# Altium PCB LimeKEY-RPCM_1v0.PcbDoc (part 6 of 8) (continued)
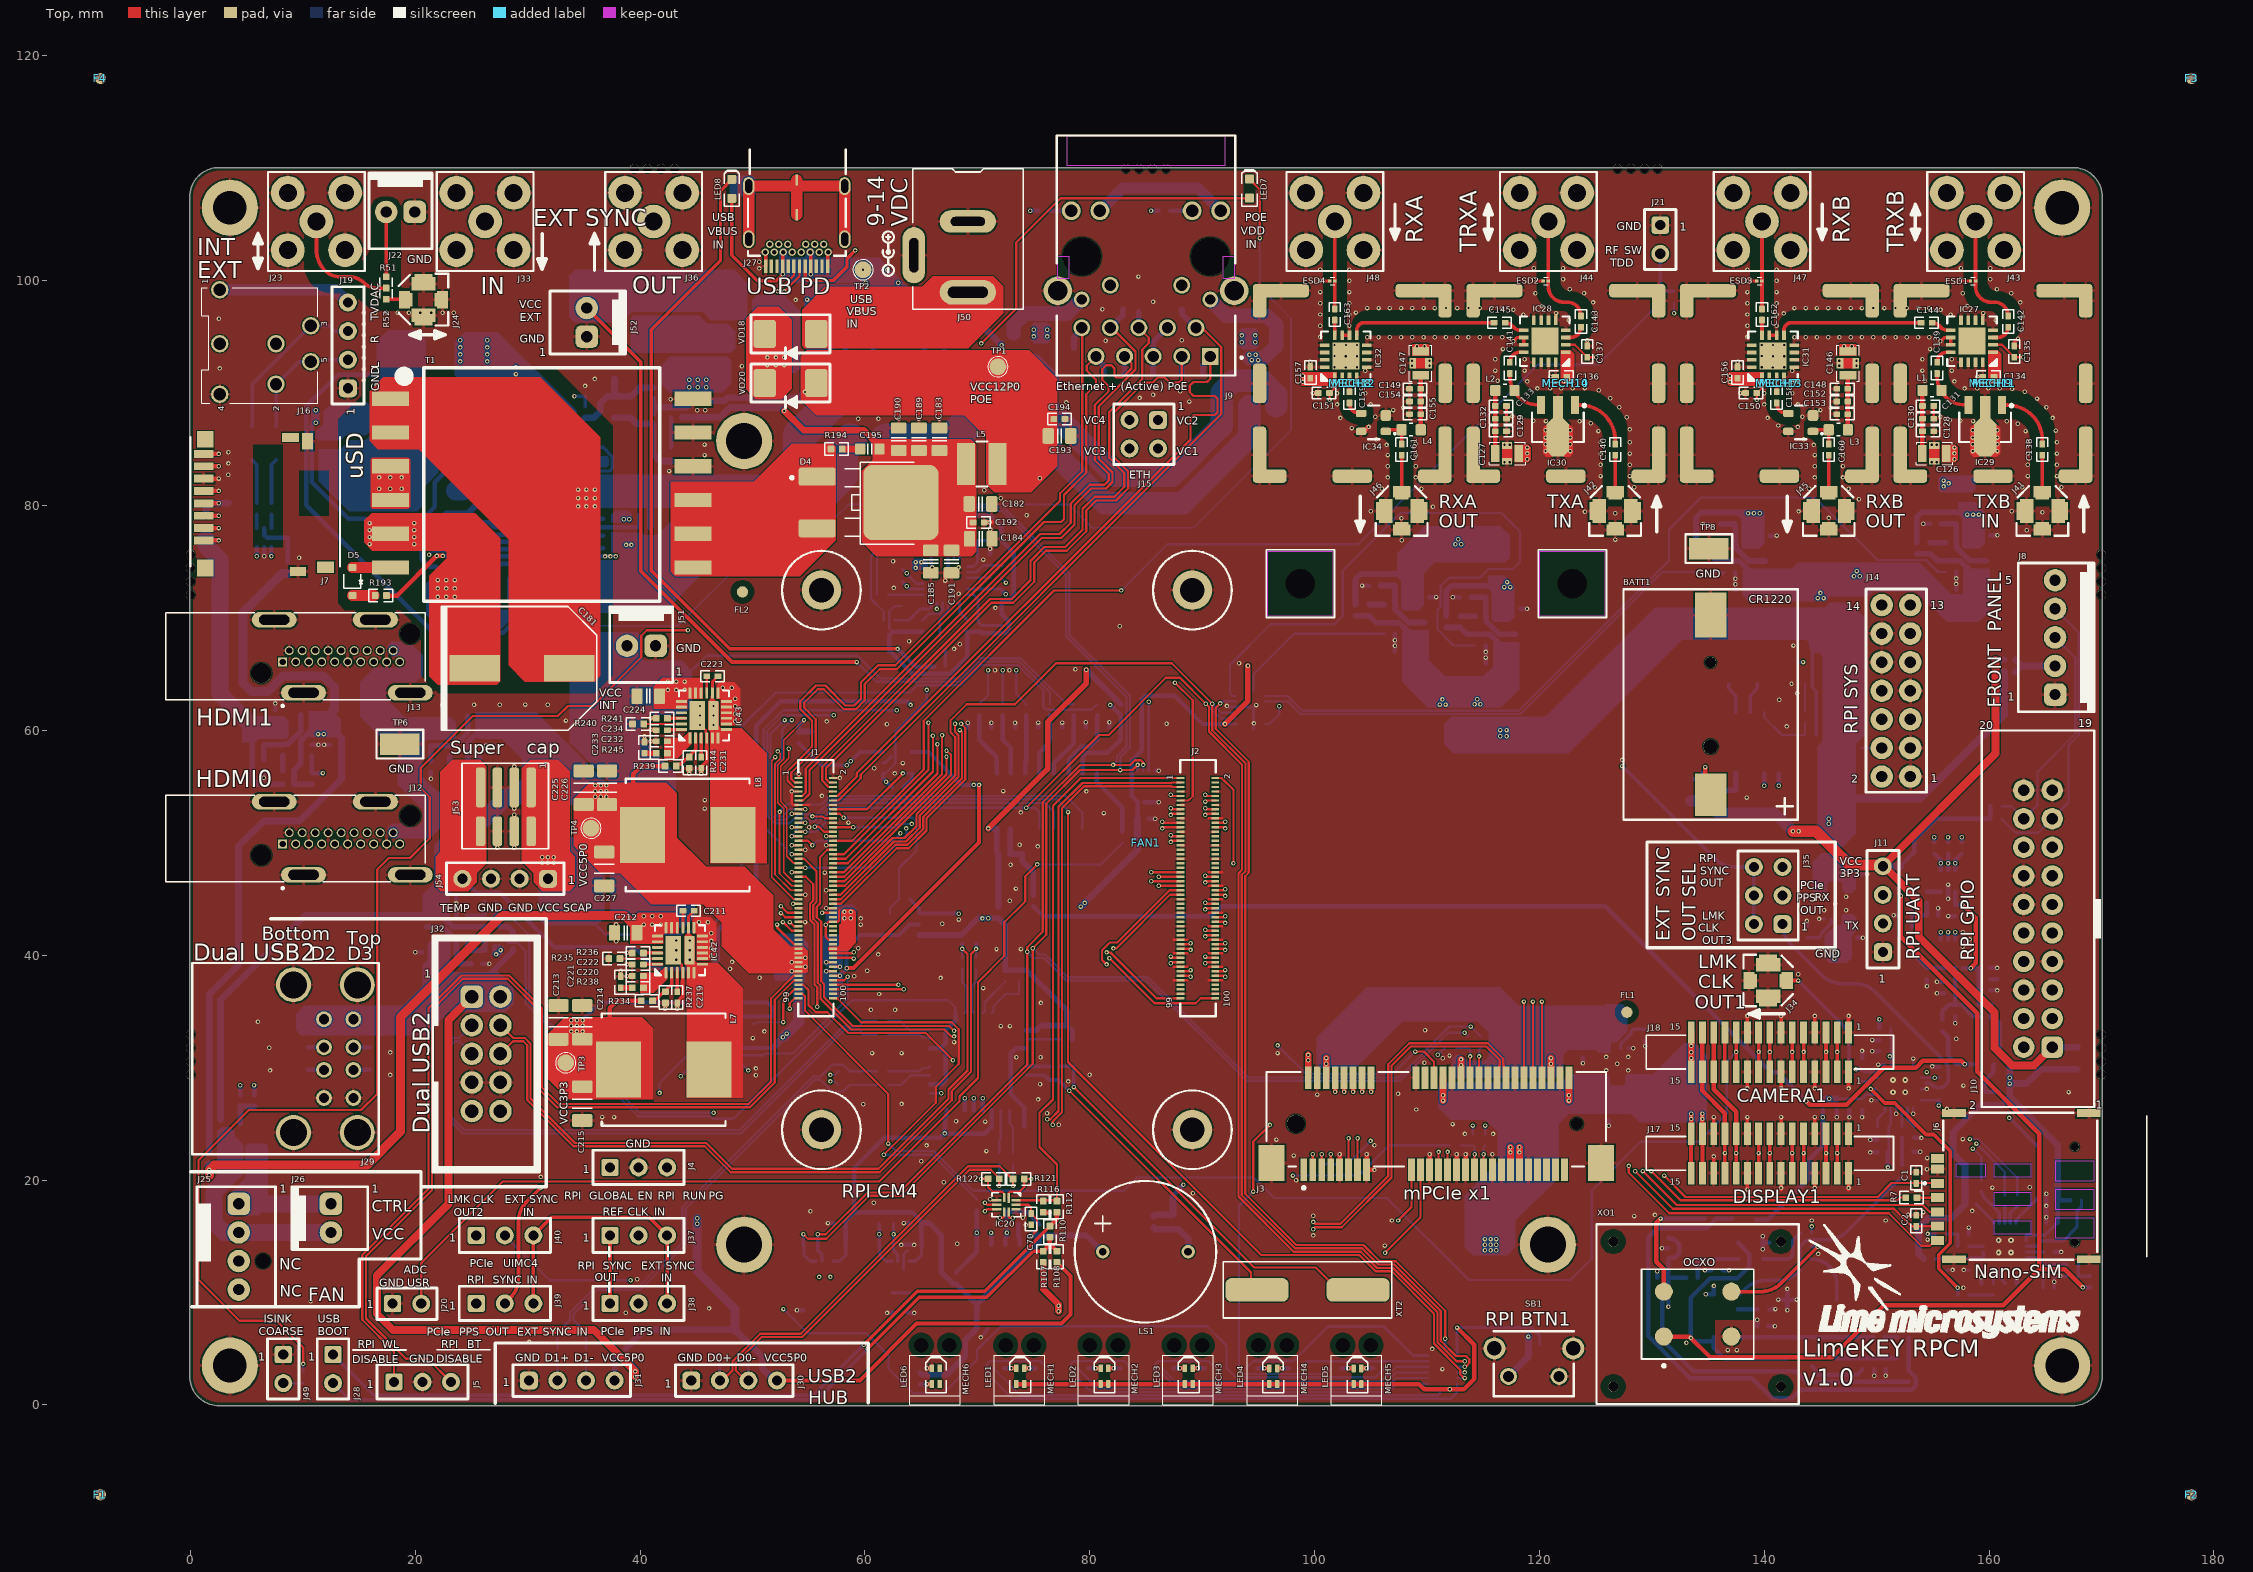
[diagram p0: Top view]
## Nets (pads, with @x,y where several pads share a name; then routed paths per layer and width w, separated by ;. In a path a pad name is that pad's centre, name@x,y a point inside that pad or via, vN(x,y) a via of type N, cw(c..) or ccw(c..) an arc to the next point about the centre after c; other vN are vias at no path point) (continued)
RPI_SD_D3: J1.61 J7.2 | length 82.8
  Top w0.2: v1(52.525,44.35) 53.1,43.775 J1.61@54.085,43.775
  Top w0.4: J7.2@1.18,78 v1(2.5,78)
  L3 w0.1: v1(2.5,78) 3.4,78 3.525,78.125 3.525,78.45 3.125,78.85 3.125,79.175 3.475,79.525 5.5,79.525 5.725,79.3 5.725,78.762 5.45,78.487 5.45,78.163 5.725,77.887 5.725,77.3 5.525,77.1 3.775,77.1 3.6,76.925 3.6,63.825 6.175,61.25 13.55,61.25 16.5,58.3 24.825,58.3 25.525,57.6 36.775,57.6 40.125,54.25 42.625,54.25 v1(52.525,44.35)
RPI_SD_PWR_ON: IC5.3 J1.75 R19.1 | length 51.3
  Top w0.2: v1(52.175,42.725) 52.175,42.475 53.675,40.975 J1.75@54.085,40.975
  L3 w0.4: v1(11.775,56.2) 22.65,56.2 24.15,54.7 29.2,54.7 31.325,52.575 40.925,52.575 50.775,42.725 v1(52.175,42.725)
  Bottom w0.4: IC5.3@10.8,57.775 R19.1@10.8,56.2 v1(11.775,56.2)
RPI_SPI0_MISO: J1.40 J10.11 | length 124.6
  Top w0.2: J1.40@57.165,48.175 58.456,48.175 66.45,56.169 v1(66.45,58.775)
  L3 w0.1: v1(66.45,58.775) 66.65,58.975 99.006,58.975 105.081,52.9 134.391,52.9 138.216,56.725 138.266,56.775 143.5,56.775 150.75,49.525 156.475,49.525 162.675,43.325 164.425,43.325 J10.11@165.62,44.52
RPI_SPI0_MOSI: J1.44 J10.9 R168.1 R173.2 | length 158.8
  Top w0.2: J1.44@57.165,47.375 58.126,47.375 66.852,56.101 v1(66.852,59.575)
  L3 w0.1: v1(66.852,59.575) 67.027,59.4 99.155,59.4 105.163,53.392 105.255,53.3 134.225,53.3 138.1,57.175 144.133,57.175 150.383,50.925 155.35,50.925 156.126,50.149 156.494,50.149 156.844,50.499 v1(157.574,50.499) 162.373,45.7 166.375,45.7 166.8,45.275 166.8,43.16 J10.9@165.62,41.98 166.8,40.8 166.8,31.125 162.525,26.85 162.092,26.85 158.875,23.633 v1(158.875,23.25)
  Bottom w0.2: v1(158.875,23.25) 161.4,20.725 R168.1@161.4,18.65
  Bottom w0.4: R173.2@157.574,50.049 v1(157.574,50.499)
RPI_SPI0_MOSI_R: IC24.7 IC26.3 R173.1 | length 8.5
  L3 w0.1: v1(156.999,42.035) v1(156.999,48.185)
  Bottom w0.4: IC24.7@156.999,41.399 v1(156.999,42.035) ; IC26.3@156.999,47.549 156.999,48.474 R173.1@157.574,49.049
RPI_SPI0_SCLK: J1.38 J10.13 R166.1 R172.2 | length 157.5
  Top w0.2: J1.38@57.165,48.575 58.291,48.575 66.05,56.334 v1(66.05,59.525)
  L3 w0.1: v1(66.05,59.525) 66.55,60.025 67,60.025 67.425,59.6 99.238,59.6 105.338,53.5 134.142,53.5 138.017,57.375 144.216,57.375 150.466,51.125 155.723,51.125 v1(156.349,50.499) 156.699,50.85 157.775,50.85 157.975,50.65 157.975,50.4 162.475,45.9 164.46,45.9 J10.13@165.62,47.06 167,45.68 167,31.042 162.608,26.65 162.175,26.65 159.325,23.8 159.325,23.205 158.92,22.8 v1(158.55,22.8)
  Bottom w0.2: v1(158.55,22.8) 159.3,22.05 R166.1@159.3,19.95
  Bottom w0.4: R172.2@156.349,50.049 v1(156.349,50.499)
RPI_SPI0_SCLK_R: IC24.6 IC26.2 R172.1 | length 8.6
  L3 w0.1: v1(156.349,42.035) 155.975,42.409 155.975,47.811 v1(156.349,48.185)
  Bottom w0.4: IC24.6@156.349,41.399 v1(156.349,42.035) ; IC26.2@156.349,47.549 R172.1@156.349,49.049
RPI_SPI0_SS0: J1.39 R171.2 | length 120.9
  Top w0.15: v1(53.225,58.375) 53.225,57.525 52.5,56.8 52.5,53.675 53.05,53.125 53.05,48.8 53.675,48.175 J1.39@54.085,48.175
  L3 w0.1: v1(53.225,58.375) 56.075,58.375 56.375,58.675 65.8,58.675 66.325,59.2 99.073,59.2 105.173,53.1 134.308,53.1 138.183,56.975 144.05,56.975 150.526,50.499 v1(155.124,50.499)
  Bottom w0.4: R171.2@155.124,50.049 v1(155.124,50.499)
RPI_SPI0_SS0_R: IC24.5 IC26.1 R171.1 | length 9
  L3 w0.1: v1(155.699,42.035) 155.114,42.62 155.114,47.6 v1(155.699,48.185)
  Bottom w0.4: R171.1@155.124,49.049 155.699,48.474 IC26.1@155.699,47.549 ; IC24.5@155.699,41.399 v1(155.699,42.035)
RPI_SPI0_SS1: J1.37 R169.1 | length 133
  Top w0.2: J1.37@54.085,48.575 54.599,48.575 55.695,47.479 55.695,44.746 55.4,44.451 55.4,43.251 55.8,42.851 55.8,37.55 56.05,37.3 56.05,36.133 58.783,33.4 67.05,33.4 67.675,32.775 v1(67.925,32.775)
  L3 w0.1: v1(67.925,32.775) 74.796,32.775 87.338,20.234 87.338,20.012 89.075,18.275 139.4,18.275 140.8,19.675 154.325,19.675 v1(158.3,23.65)
  Bottom w0.2: v1(158.3,23.65) 159.05,23.65 162.5,20.2 R169.1@162.5,18.65
RPI_SPI1_MISO: IC8.12 J1.26 | length 26.1
  Top w0.2: v1(55.525,51.425) 55.9,51.425 56.35,50.975 J1.26@57.165,50.975
  Bottom w0.2: v1(55.525,51.425) 56.075,51.975 56.075,52.451 57.199,53.575 57.675,53.575 72.874,53.575 72.899,53.55 76,53.55 76.795,52.755 IC8.12@76.795,51.275
RPI_SPI1_MOSI: IC8.11 IC14.14 J1.27 | length 101
  Top w0.2: v1(53.475,50.575) J1.27@54.085,50.575 ; v1(78.065,52.735) 78.065,30.51 95.25,13.325 103.977,13.325 105.427,11.875 106.852,11.875 110.625,8.102 110.625,5.45 112.966,3.109 112.966,2.718 113.2,2.484 113.212,2.484 113.312,2.384 v1(113.366,2.384)
  Bottom w0.2: v1(53.475,50.575) 53.875,50.975 53.875,51.521 54.529,52.175 54.875,52.175 55.15,51.9 55.475,51.9 55.738,52.163 55.738,52.538 57.075,53.875 77.05,53.875 78.065,52.86 v1(78.065,52.735) IC8.11@78.065,51.275 ; IC14.14@112.675,2.384 v1(113.366,2.384)
RPI_SPI1_SCLK: IC8.13 IC14.11 IC16.11 J1.25 | length 123
  Top w0.2: J1.25@54.085,50.975 v1(54.695,50.975) ; v1(74.35,53.125) 80.825,59.6 81.675,59.6 86.75,64.675 88.025,64.675 v1(90.325,62.375) 90.6,62.1 90.6,59.9 93.55,56.95 93.55,47.599 93.225,47.274 93.225,18.525 98.125,13.625 104.101,13.625 105.551,12.175 106.976,12.175 110.925,8.226 110.925,5.574 112.615,3.884 v1(113.366,3.884)
  Bottom w0.2: v1(54.695,50.975) 55.65,50.975 56.437,51.762 56.437,52.389 57.174,53.125 v1(74.35,53.125) 75.125,53.125 75.525,52.725 IC8.13@75.525,51.275 ; v1(90.325,62.375) 91.63,61.07 IC16.11@93.014,61.07 ; IC14.11@112.675,3.884 v1(113.366,3.884)
RPI_SPI1_SS0: IC8.10 J1.49 | length 37.2
  Top w0.15: v1(52.4,52.75) 52.4,47.275 53.5,46.175 J1.49@54.085,46.175
  Bottom w0.2: v1(52.4,52.75) 53.05,53.4 56.125,53.4 56.9,54.175 77.85,54.175 79.333,52.692 IC8.10@79.333,51.277 IC8.10@79.335,51.275
RPI_SPI1_SS1: IC14.12 IC16.12 J1.50 | length 124.4
  Top w0.2: J1.50@57.165,46.175 58.2,46.175 62.45,50.425 63.525,50.425 64.575,51.475 64.575,52.548 68.025,55.998 68.025,59.4 67.619,59.806 67.619,60.894 69.05,62.325 73.35,62.325 77,65.975 87.3,65.975 v1(90.9,62.375) 90.9,60.024 93.85,57.074 93.85,47.474 93.525,47.149 93.525,18.649 98.249,13.925 104.226,13.925 105.676,12.475 107.101,12.475 111.225,8.351 111.225,5.699 112.574,4.35 113.466,4.35 113.766,4.05 113.766,3.718 113.532,3.484 113.52,3.484 113.42,3.384 v1(113.366,3.384)
  Bottom w0.2: v1(90.9,62.375) 91.705,61.57 IC16.12@93.014,61.57 ; IC14.12@112.675,3.384 v1(113.366,3.384)
RPI_STATUS_LED_G: J1.21 R82.1 | length 92.3
  Top w0.2: J1.21@54.085,51.775 v1(54.695,51.775) ; v1(94.55,18.975) 94.55,23.425 v1(96.025,24.9)
  L3 w0.1: v1(54.695,51.775) 56.045,51.775 61.72,46.1 72.425,46.1 72.95,45.575 82.6,45.575 85.35,42.825 90.825,42.825 91.8,41.85 92.375,41.85 96.025,38.2 v1(96.025,24.9)
  Bottom w0.2: v1(94.55,18.975) 93.275,17.7 93.275,3.025 93.55,2.75 100.91,2.75 R82.1@101.41,3.25
RPI_STATUS_LED_R: IC2.4 R83.1 | length 106.2
  L3 w0.1: v1(41.725,27.75) 41.05,27.075 41.05,18.383 38.475,15.808 38.475,10.822 38.997,10.3 50.975,10.3 v1(52.75,8.525)
  Bottom w0.2: v1(41.725,27.75) 41.725,28.6 46.355,33.23 IC2.4@48.06,33.23 ; v1(52.75,8.525) 54.9,6.375 60.125,6.375 62.1,4.4 62.1,3.2 64.275,1.025 66.975,1.025 69.968,4.018 69.968,4.876 72.091,7 90.45,7 92.166,5.284 92.166,3.276 92.992,2.45 105.41,2.45 R83.1@106.21,3.25
RPI_SYNC_IN: IC3.4 J14.8 J39.2 R20.2 | length 165.8
  Top w0.325: J39.2@27.959,9.025 28.431,9.497 ccw(c26.635,11.293) 29.175,11.293 29.175,16.298 cw(c31.715,16.298) 29.919,18.094 v1(31.15,19.325)
  L3 w0.1: v1(65.5,63.6) 97.8,63.6 106.225,55.175 128.6,55.175 134.7,61.275 148.204,61.275 J14.8@150.454,63.525
  L4 w0.1: v1(31.15,19.325) 31.95,19.325 ccw(c31.95,21.256) 33.315,19.89 53.225,39.8 ; 53.225,39.8 cw(c54.734,38.291) 54.734,40.425 56.823,40.425 ccw(c56.823,42.965) 58.619,41.169 61.131,43.681 ccw(c59.335,45.477) 61.875,45.477 v1(61.875,55.425)
  Bottom w0.2: IC3.4@61.6,56.175 61.8,56.175 61.925,56.3 61.925,56.305 62.7,57.08 62.7,59.875 65.5,62.675 v1(65.5,63.6)
  Bottom w0.35: IC3.4@61.6,56.175 61.6,55.703 R20.2@62.4,54.903
RPI_SYNC_IN_LS: IC3.3 J1.16 R20.1 | length 10
  Top w0.2: J1.16@57.165,52.975 60.175,52.975 v1(63.375,56.175)
  Bottom w0.2: v1(63.375,56.175) IC3.3@64.2,56.175
  Bottom w0.35: R20.1@63.4,54.903 64.2,55.703 IC3.3@64.2,56.175
RPI_SYNC_OUT: IC1.4 J14.9 J35.5 J37.1 J38.1 R13.1 | length 153
  Top w0.325: J38.1@37.319,9.025 J37.1@37.319,15.075
  L4 w0.1: J37.1@37.319,15.075 ccw(c37.319,17.021) 38.695,15.645 66.006,42.956 cw(c67.802,41.16) 67.802,43.7 v1(68.35,43.7) 89.023,43.7 cw(c89.023,41.16) 90.819,42.956 91.15,42.625 ccw(c92.599,44.074) 92.599,42.025 130.798,42.025 ccw(c130.798,44.565) 132.594,42.769 135.681,45.856 cw(c137.477,44.06) 137.477,46.6 139.323,46.6 ccw(c139.323,49.14) J35.5@141.119,47.344 ; J35.5@141.621,47.846 143.756,49.981 ccw(c141.96,51.777) 144.5,51.777 144.5,59.023 cw(c147.04,59.023) 145.244,60.819 148.481,64.056 cw(c150.277,62.26) 150.277,64.8 150.676,64.8 ccw(c150.676,67.34) 152.473,65.544 J14.9@152.996,66.068
  Bottom w0.35: R13.1@64.025,44.972 64.825,44.172 IC1.4@64.825,43.7 v1(68.35,43.7)
RPI_SYNC_OUT_LS: IC1.3 J1.18 R13.2 | length 16.9
  Top w0.2: J1.18@57.165,52.575 57.75,52.575 v1(58.1,52.225)
  Bottom w0.2: v1(58.1,52.225) 64.259,52.225 64.575,51.909 64.575,49.3 63.025,47.75 R13.2@63.025,44.972 62.225,44.172 IC1.3@62.225,43.7
RPI_TVDAC: J2.11 J14.11 J16.1 J19.4 | length 208.5
  Top w0.2: v1(87.575,64.25) 89.15,62.675 89.15,54.15 88.775,53.775 J2.11@88.085,53.775
  L3 w0.3: 149.35,67.35 151.736,67.35 J14.11@152.996,68.611
  L3 w0.6: J16.1@2.6,99.2 5.15,96.65 5.15,85.9 15.475,75.575 17.05,75.575 22.625,70 42.175,70 45.05,67.125 46.5,67.125 50.45,63.175 50.45,61.7 52.275,59.875 54.575,59.875 59.025,64.325 98.025,64.325 106.7,55.65 128.225,55.65 134.375,61.8 143.8,61.8 149.35,67.35
  Bottom w1: J16.1@2.6,99.2 12.864,99.2 J19.4@14,98.064
RPI_UART0_RX: J1.51 J10.10 J11.3 | length 138.2
  Top w0.15: v1(52.25,58.125) 52.45,57.925 52.45,57.479 52,57.029 52,47.175 53.4,45.775 J1.51@54.085,45.775
  L3 w0.1: v1(52.25,58.125) 52.9,58.125 53.025,58 56.025,58 56.425,58.4 66.65,58.4 67.025,58.775 67.925,58.775 98.924,58.775 104.999,52.7 134.474,52.7 138.299,56.525 138.349,56.575 143.417,56.575 148.75,51.242 148.75,47.13 150.509,45.371 J11.3@150.55,45.371 154.571,41.35 157.55,41.35 158.18,41.98 J10.10@163.08,41.98
RPI_UART0_TX: J1.55 J10.8 J11.2 | length 140.3
  Top w0.15: v1(52.025,57.625) 51.7,57.3 51.7,46.925 53.65,44.975 J1.55@54.085,44.975
  L3 w0.1: v1(52.025,57.625) 55.933,57.625 56.433,58.125 66.658,58.125 67.108,58.575 67.842,58.575 98.841,58.575 104.916,52.5 134.556,52.5 138.264,56.208 138.381,56.325 138.431,56.375 143.334,56.375 148.55,51.159 148.55,47 149.575,45.975 149.575,43.804 J11.2@150.55,42.829 153.604,39.775 160.675,39.775 161.01,39.44 J10.8@163.08,39.44
RPI_USB_D_N: IC20.2 J2.3 R122.2 | length 52.2
  Top w0.2: v1(70.325,20.106) R122.2@70.95,20.106 70.95,19.375 71.375,18.95 72.2,18.95 72.375,18.775 IC20.2@72.375,18.45 ; v1(76.205,25.412) 76.488,25.412 77.225,26.149 77.225,53.199 79.351,55.325 87.25,55.325 87.3,55.375 J2.3@88.085,55.375
  L3 w0.1: v1(70.325,20.106) 72.056,20.106 72.575,20.625 72.575,21.429 76.205,25.059 v1(76.205,25.412)
RPI_USB_D_P: IC20.1 J2.5 R121.2 | length 51.7
  Top w0.2: IC20.1@72.775,18.4 72.775,18.825 72.9,18.95 73.75,18.95 74.175,19.375 R121.2@74.175,20.1 v1(74.8,20.1) ; v1(76.7,24.917) 76.7,25.2 77.525,26.025 77.525,53.075 79.475,55.025 87.25,55.025 87.3,54.975 J2.5@88.085,54.975
  L3 w0.1: v1(74.8,20.1) 73.3,20.1 72.775,20.625 72.775,21.346 76.346,24.917 v1(76.7,24.917)
RPI_USB_OTG_ID: IC20.10 J2.1 R112.2 R116.1 | length 52.2
  Top w0.2: IC20.10@73.425,18.2 77,18.2 77.075,18.275 77.075,21.388 75.525,22.938 75.525,25.975 76.725,27.175 76.725,53.3 79.2,55.775 J2.1@88.085,55.775
RPI_WL_nDISABLE: J1.89 J5.1 | length 88.9
  Top w0.2: J5.1@18.094,2.038 18.094,4.756 15.275,7.575 15.275,13.324 21.175,19.224 21.175,35.274 24.101,38.2 28.35,38.2 31.25,35.3 31.25,28.25 32.725,26.775 49.651,26.775 51.65,28.774 51.65,36.175 53.65,38.175 J1.89@54.085,38.175
RTC_nINT: C52.1 IC15.3 R84.1 | length 5.8
  Bottom w0.2: IC15.3@140.01,61.612 140.01,61.165 141.575,59.6 R84.1@143.625,59.6 C52.1@143.625,60.7
RXA: C163.1 ESD4.1 J48.1 | length 7.8
  Top w0.325: C163.1@101.8,97.5 ESD4.1@101.8,99.975 J48.1@101.8,105.275
RXA_OUT: C161.2 J46.1 | length 3.2
  Top w0.325: J46.1@107.74,81.225 C161.2@107.74,84.475
RXB: C162.1 ESD3.1 J47.1 | length 7.8
  Top w0.325: C162.1@139.8,97.5 ESD3.1@139.8,99.975 J47.1@139.8,105.275
RXB_OUT: C160.2 J45.1 | length 3.2
  Top w0.325: J45.1@145.74,81.225 C160.2@145.74,84.475
SCAP_TEMP: C35.1 IC8.7 J53.4 J54.4 R45.2 R49.1 | length 90.2
  L3 w0.4: v1(64.057,62.268) v1(81.818,62.268)
  Bottom w0.4: J54.4@24.186,46.8 25.436,45.55 27.525,45.55 32.35,40.725 39.475,40.725 41.425,38.775 46.05,38.775 46.9,39.625 46.9,42.175 50.325,45.6 50.325,60.425 52.475,62.575 63.75,62.575 v1(64.057,62.268) ; IC8.7@79.333,56.177 79.352,56.196 79.352,57.602 79.75,58 81.566,58 82.651,59.085 82.651,59.135 82.701,59.185 C35.1@82.751,59.185 R49.1@82.751,60.235 R45.2@82.751,61.335 v1(81.818,62.268)
  Bottom w0.6: J54.4@24.186,46.8 J54.4@24.225,46.839
SIM_VPP: J6.C6 R7.2 | length 1.8
  Top w0.2: R7.2@153.59,18.435 J6.C6@155.405,18.435
SR0_DOUT: IC14.9 IC16.14 | length 72.2
  Top w0.2: v1(91.6,62.4) 91.2,62 91.2,60.15 94.15,57.2 94.15,47.35 93.825,47.025 93.825,18.774 98.374,14.225 104.35,14.225 105.8,12.775 107.225,12.775 111.625,8.375 v1(111.625,5.875)
  Bottom w0.2: v1(91.6,62.4) 91.795,62.595 92.989,62.595 IC16.14@93.014,62.57 ; IC14.9@111.625,4.984 v1(111.625,5.875)
TCXO_DAC_VREF: C118.2 C119.1 IC24.2 R156.1 R157.1 R162.1 | length 8
  Bottom w0.4: R156.1@155.849,34.239 155.849,35.015 156.423,35.589 R162.1@156.998,35.589 ; IC24.2@156.999,38.884 C119.1@156.999,37.63 R162.1@156.999,35.575 157.548,35.575 158.549,34.574 R157.1@159.099,34.574
TRXA: C143.1 ESD2.1 J44.1 | length 10.2
  Top w0.325: J44.1@120.8,105.275 ESD2.1@120.8,99.975 120.8,99.475 ccw(c122.175,99.475) 122.175,98.1 122.475,98.1 cw(c122.475,96.875) C143.1@123.7,96.875
TRXB: C142.1 ESD1.1 J43.1 | length 10.2
  Top w0.325: J43.1@158.8,105.275 ESD1.1@158.8,99.975 158.8,99.475 ccw(c160.175,99.475) 160.175,98.1 160.475,98.1 cw(c160.475,96.875) C142.1@161.7,96.875
TXA_IN: C140.2 J42.1 | length 3.2
  Top w0.325: J42.1@126.74,81.225 C140.2@126.74,84.475
TXB_IN: C138.2 J41.1 | length 3.2
  Top w0.325: J41.1@164.74,81.225 C138.2@164.74,84.475
UFL_INT_TO_EXT: J24.1 R52.2 | length 1.7
  Top w0.325: R52.2@17.4,98.35 J24.1@19.015,98.35 ; J24.1@18.815,98.35 cw(c18.815,98.265) J24.1@18.875,98.325
UIM_CLK: J3.12 J6.C3 | length 60.4
  Top w0.2: v1(127.95,21.25) 127.95,20.65 131.55,17.05 151.075,17.05 153.975,14.15 154.725,14.15 155.195,14.62 J6.C3@155.405,14.62 J6.C3@155.705,14.62
  Top w0.4: v1(103.425,27.85) J3.12@103.425,29.1
  L3 w0.1: v1(103.425,27.85) 103.425,26.816 108.991,21.25 v1(127.95,21.25)
UIM_DATA: C2.2 J3.10 J6.C7 | length 59.3
  Top w0.2: v1(128.525,20.775) 131.85,17.45 151.55,17.45 153.11,15.89 J6.C7@155.405,15.89
  Top w0.4: v1(102.625,27.85) J3.10@102.625,29.1
  L3 w0.1: v1(102.625,27.85) 102.625,27.333 108.908,21.05 127.55,21.05 127.825,20.775 v1(128.525,20.775)
UIM_PWR: C1.2 J3.8 J6.C1 | length 59.2
  Top w0.2: v1(131.1,20.4) 133,18.5 150.1,18.5 151.331,19.731 J6.C1@155.405,19.731
  Top w0.4: v1(101.825,27.85) J3.8@101.825,29.1
  L3 w0.1: v1(101.825,27.85) 108.85,20.825 127.45,20.825 127.875,20.4 v1(131.1,20.4)
UIM_RESET: J3.14 J6.C2 | length 58.1
  Top w0.2: v1(129.2,20.8) 132.225,17.775 154.1,17.775 154.715,17.16 J6.C2@155.405,17.16 J6.C2@155.705,17.16
  Top w0.4: v1(104.225,27.85) J3.14@104.225,29.1
  L3 w0.1: v1(104.225,27.85) 104.225,26.299 109.024,21.5 127.705,21.5 127.805,21.6 128.4,21.6 v1(129.2,20.8)
UIM_VPP: J3.16 R7.1 | length 54
  Top w0.2: v1(129.95,20.8) 132.55,18.2 151.85,18.2 152.1,18.45 R7.1@152.375,18.45
  Top w0.4: v1(105.025,27.85) J3.16@105.025,29.1
  L3 w0.1: v1(105.025,27.85) 105.025,25.781 109.106,21.7 127.622,21.7 127.722,21.8 128.95,21.8 v1(129.95,20.8)
USB_CC1: C210.1 IC41.15 J27.A5 | length 55.4
  Top w0.3: J27.A5@54.675,101.295 54.675,100.25 54.9,100.025 57.175,100.025 58.4,101.25 58.4,101.975 v1(59.125,102.7)
  L3 w0.1: v1(59.125,102.7) 61.55,105.125 65.325,105.125 68.2,102.25 70.05,102.25 72.225,100.075 72.225,97.008 71,95.783 71,89.5 63.716,82.216 v1(63.716,73.97)
  Bottom w0.25: C210.1@63.291,74.37 63.341,74.37 63.466,74.245 63.466,74.195 64.586,73.075 IC41.15@65.184,73.075
USB_CC2: C209.1 IC41.14 J27.B5 | length 55.4
  L3 w0.1: J27.B5@53.125,103.245 55.205,105.325 65.408,105.325 68.283,102.45 70.133,102.45 72.425,100.158 72.425,96.925 71.2,95.7 71.2,89.417 64.066,82.283 64.066,73.175 v1(63.714,72.823)
  Bottom w0.25: C209.1@63.291,73.245 63.341,73.245 63.466,73.12 63.466,73.07 v1(63.714,72.823) 63.961,72.575 IC41.14@65.184,72.575
USB_HUB_D0_N: IC20.4 J30.3 R87.2 R90.1 R122.1 VD10.A | length 42.1
  Top w0.2: J30.3@49.63,1.938 48.509,3.059 48.509,3.735 50.799,6.025 54.399,6.025 69.299,20.925 71.181,20.925 71.95,20.156 R122.1@71.95,20.106 v1(71.95,19.475) ; v1(70.675,17.975) 70.85,17.8 IC20.4@71.725,17.8
  L3 w0.1: v1(70.675,17.975) 70.7,17.95 71.717,17.95 72.575,18.808 72.575,19.275 72.375,19.475 v1(71.95,19.475)
  Bottom w0.2: J30.3@49.63,2.163 VD10.A@49.63,3.996 ; v1(71.95,19.475) R90.1@71.95,20.175 R87.2@71.95,21.4
USB_HUB_D0_P: IC20.5 J30.2 R88.2 R89.1 R121.1 VD9.A | length 44.1
  Top w0.2: J30.2@47.088,1.938 48.209,3.059 48.209,3.859 50.675,6.325 54.275,6.325 69.175,21.225 72,21.225 73.175,20.05 v1(73.175,19.475) ; v1(70.675,17.225) 70.85,17.4 IC20.5@71.725,17.4
  L3 w0.1: v1(70.675,17.225) 71.275,17.225 73.175,19.125 v1(73.175,19.475)
  Bottom w0.2: J30.2@47.088,2.163 VD9.A@47.088,3.996 ; v1(73.175,19.475) R89.1@73.175,20.175 R88.2@73.175,21.4
USB_HUB_D1_INT_N: J31.3 R126.1 | length 1.8
  Bottom w0.2: J31.3@35.18,2.163 R126.1@35.18,3.996
USB_HUB_D1_INT_P: J31.2 R127.1 | length 2.1
  Bottom w0.2: J31.2@32.638,1.938 R127.1@32.638,3.996
USB_HUB_D1_N: R91.2 R94.1 R123.2 R126.2 VD12.A | length 41.7
  Bottom w0.2: R126.2@35.18,4.996 VD12.A@35.18,6.431 34.059,7.553 34.059,8.085 36.224,10.25 40,10.25 44.05,14.3 44.05,17.451 55.512,28.912 56.037,28.912 57.075,27.875 58.05,27.875 R123.2@58.625,28.45 R91.2@61.075,28.45
USB_HUB_D1_P: R92.2 R93.1 R127.2 R128.2 VD11.A | length 42.2
  Bottom w0.2: R127.2@32.638,4.996 VD11.A@32.638,6.431 33.759,7.553 33.759,8.209 36.1,10.55 39.876,10.55 43.75,14.424 43.75,17.575 55.387,29.212 56.037,29.212 57.075,30.25 58.05,30.25 R128.2@58.625,29.675 R92.2@61.075,29.675
USB_HUB_D2_N: J29.B2 J32.3 R96.2 R102.1 VD14.A | length 67.8
  L3 w0.15: J29.B2@11.87,31.8 13.095,33.025 18.75,33.025 19.493,33.768 J32.3@25.029,33.768
  Bottom w0.2: J32.3@25.029,33.768 23.907,32.646 23.371,32.646 22.775,32.05 22.775,25.6 24.225,24.15 48.974,24.15 58.187,33.362 59.533,33.362 59.65,33.245 59.65,33.1 R102.1@59.85,32.9 R96.2@61.075,32.9
  Bottom w0.4: VD14.A@10.435,31.8 J29.B2@11.87,31.8
USB_HUB_D2_P: J29.B3 J32.5 R98.2 R101.1 VD13.A | length 66.6
  L3 w0.15: J29.B3@11.87,29.8 12.845,30.775 23.25,30.775 23.7,31.225 J32.5@25.029,31.225
  Bottom w0.2: J32.5@25.029,31.225 23.907,32.346 23.496,32.346 23.075,31.926 23.075,25.724 24.349,24.45 48.85,24.45 58.062,33.662 59.533,33.662 59.65,33.78 59.65,33.925 R101.1@59.85,34.125 R98.2@61.075,34.125
  Bottom w0.4: VD13.A@10.435,29.8 J29.B3@11.87,29.8
USB_HUB_D3_N: J29.T2 J32.4 R103.2 R106.1 VD16.A | length 81.4
  Top w0.2: J32.4@27.571,33.768 28.693,32.646 29.729,32.646 30.25,32.125 30.25,27.25 34.2,23.3 45.875,23.3 48.175,21 61.2,21 67.425,27.225 67.425,28.049 69.125,29.749 69.125,40.1 v1(68.662,40.562)
  L3 w0.15: J29.T2@14.49,31.8 18.825,31.8 19.475,32.45 26.254,32.45 J32.4@27.571,33.768
  Bottom w0.2: R103.2@68.662,39.75 v1(68.662,40.562) R106.1@68.662,40.975
  Bottom w0.4: J29.T2@14.49,31.8 VD16.A@15.925,31.8
USB_HUB_D3_P: J29.T3 J32.6 R104.2 R105.1 VD15.A | length 81.6
  Top w0.2: J32.6@27.571,31.225 28.693,32.346 29.604,32.346 29.95,32.001 29.95,27.126 34.076,23 45.751,23 48.051,20.7 61.324,20.7 67.725,27.101 67.725,27.925 69.425,29.625 69.425,40.1 v1(69.887,40.562)
  L3 w0.15: J29.T3@14.49,29.8 14.547,29.857 26.204,29.857 J32.6@27.571,31.225
  Bottom w0.2: R104.2@69.887,39.75 v1(69.887,40.562)
  Bottom w0.4: J29.T3@14.49,29.8 VD15.A@15.925,29.8 ; v1(69.887,40.562) R105.1@69.888,40.975
USB_HUB_EECLK: IC18.5 IC19.2 | length 16.3
  L3 w0.1: v1(69.675,27.275) 69.675,15.725 69.525,15.575 69.525,15.175 69.825,14.875 70.785,14.875 v1(71.215,15.305)
  Bottom w0.4: IC18.5@69.675,26.2 v1(69.675,27.275) ; IC19.2@71.215,14.23 v1(71.215,15.305)
USB_HUB_EEDIO: IC18.6 IC19.3 R109.1 R114.2 R119.1 | length 23.6
  L3 w0.1: v1(68.875,27.275) 69.275,26.875 69.275,15 69.625,14.65 71.975,14.65 v1(72.625,15.3)
  Bottom w0.4: IC18.6@68.875,26.2 v1(68.875,27.275) ; IC19.3@72.485,14.23 72.485,14.834 72.631,14.98 R109.1@72.631,16.065 R119.1@72.631,17.165 74.406,17.165 R114.2@75.506,16.065
USB_HUB_EXTMEM: IC18.26 R113.2 R118.1 | length 3
  Bottom w0.2: IC18.26@74.4,32.525 R113.2@77.425,32.525
USB_HUB_IC_D0_N: C55.2 IC18.2 R87.1 | length 3.9
  Bottom w0.2: R87.1@71.95,22.4 C55.2@71.95,23.55 72.075,23.675 IC18.2@72.075,26.2
USB_HUB_IC_D0_P: C54.2 IC18.1 R88.1 R100.1 | length 3.9
  Bottom w0.2: IC18.1@72.875,26.2 72.875,25.025 R100.1@73.175,24.725 C54.2@73.175,23.55 R88.1@73.175,22.4
USB_HUB_IC_D1_N: C57.2 IC18.11 R91.1 | length 4
  Bottom w0.2: R91.1@62.075,28.45 63.2,28.45 64.075,29.325 IC18.11@65.75,29.325
USB_HUB_IC_D1_P: C56.2 IC18.12 R92.1 | length 3.9
  Bottom w0.2: R92.1@62.075,29.675 64.825,29.675 65.125,29.975 65.6,29.975 IC18.12@65.75,30.125
USB_HUB_IC_D2_N: C62.2 IC18.15 R96.1 | length 3.8
  Bottom w0.2: R96.1@62.075,32.9 C62.2@63.25,32.9 64.9,32.9 65.125,32.675 65.6,32.675 IC18.15@65.75,32.525
USB_HUB_IC_D2_P: C61.2 IC18.16 R98.1 | length 4
  Bottom w0.2: R98.1@62.075,34.125 63.175,34.125 63.975,33.325 IC18.16@65.75,33.325
USB_HUB_IC_D3_N: C69.2 IC18.19 R103.1 | length 4.1
  Bottom w0.2: R103.1@68.662,38.75 C69.2@68.662,37.575 68.712,37.575 68.862,37.425 68.862,37.375 69.025,37.212 69.025,35 IC18.19@68.875,34.85
USB_HUB_IC_D3_P: C68.2 IC18.20 R104.1 | length 4.1
  Bottom w0.2: IC18.20@69.675,34.85 69.525,35 69.525,37.212 69.688,37.375 69.688,37.425 69.838,37.575 C68.2@69.888,37.575 R104.1@69.887,38.75
USB_HUB_NPINT0: IC18.22 R111.2 R117.1 | length 4.5
  Bottom w0.2: IC18.22@71.275,34.85 71.425,35 71.425,35.45 72.525,36.55 R117.1@73.7,36.55 R111.2@73.7,37.65
USB_HUB_OVRCUR: IC18.10 IC18.14 IC18.18 R135.2 | length 64.8
  Bottom w0.2: R135.2@27.158,41.68 27.733,41.68 28.333,41.08 29.12,41.08 29.825,40.375 29.825,35.675 39.825,25.675 46.225,25.675 46.45,25.45 48.3,25.45 58.85,36 67.4,36 68.025,35.375 68.025,34.9 IC18.18@68.075,34.85
  Bottom w0.4: IC18.10@65.75,28.525 66.825,28.525 67.2,28.9 67.2,31.25 66.725,31.725 ; IC18.14@65.75,31.725 66.725,31.725 ; IC18.18@68.075,34.85 68.075,34.225 67.2,33.35 67.2,32.2 66.725,31.725
USB_HUB_PWRON: IC18.9 R131.2 | length 52.7
  L3 w0.1: v1(46.525,25.975) 48.275,27.725 v1(66.775,27.725)
  Bottom w0.2: R131.2@27.158,44.755 30.125,41.788 30.125,35.8 39.95,25.975 v1(46.525,25.975) ; IC18.9@65.75,27.725 v1(66.775,27.725)
USB_HUB_RST: C63.1 IC18.4 IC19.1 R97.2 R99.1 | length 19.5
  L3 w0.1: v1(69.945,15.305) 69.945,26.745 v1(70.475,27.275)
  Bottom w0.4: R97.2@68.1,11.78 IC19.1@69.845,13.525 ; IC19.1@69.845,13.526 69.945,13.626 IC19.1@69.945,14.23 v1(69.945,15.305) C63.1@69.945,16.23 R99.1@69.945,17.28 ; IC18.4@70.475,26.2 v1(70.475,27.275)
USB_PD_3V3: C206.2 C207.1 C208.1 IC41.23 R214.1 R215.1 R216.1 R217.1 R223.2 R224.2 R225.2 R230.1 | length 41.4
  Bottom w0.2: 62.455,68.795 62.166,69.084 62.166,70.591 62.645,71.07 R225.2@63.291,71.07
  Bottom w0.25: C207.1@67.766,78.845 C206.2@67.766,77.845 C208.1@67.766,76.845 67.766,76.17 67.9,76.036 IC41.23@67.9,75.291
  Bottom w0.4: R230.1@65.116,68.795 R223.2@63.891,68.795 62.455,68.795 62.175,68.515 62.175,67.075 64.2,65.05 67.575,65.05 69.116,66.591 R224.2@69.116,68.795 70.305,68.795 70.45,68.65 72.46,68.65 72.8,68.99 72.8,69.711 R217.1@72.166,70.345 R216.1@72.166,71.47 72.72,71.47 73.216,71.966 R214.1@73.216,74.67 73.216,75.795 R215.1@72.116,76.895 72.116,78.216 71.207,79.125 68.046,79.125 67.866,78.945 67.866,78.895 67.816,78.845 C207.1@67.766,78.845
USB_PD_FAIL: IC41.9 R231.1 VT5.G | length 3.3
  Bottom w0.25: VT5.G@66.651,68.415 66.651,69.855 67.4,70.604 IC41.9@67.4,71.359
USB_PD_HPI_INT: IC41.7 R224.1 | length 1.9
  Bottom w0.25: IC41.7@68.4,71.359 68.4,70.511 R224.1@69.116,69.795
USB_PD_HPI_SDA: IC41.12 R223.1 R228.1 | length 4.1
  Bottom w0.25: R228.1@62.666,69.795 R223.1@63.891,69.795 64.891,70.795 65.741,70.795 65.9,70.954 IC41.12@65.9,71.359
USB_PD_HPI_SLC: IC41.13 R225.1 R229.1 | length 3.1
  Bottom w0.25: R229.1@62.071,72.075 IC41.13@65.184,72.075
USB_PWRSW: IC18.21 R115.2 R120.1 | length 3.6
  Bottom w0.2: IC18.21@70.475,34.85 70.625,35 70.625,35.8 R115.2@72.475,37.65
USB_VBUS_IN: C202.2 C203.2 IC40.7 IC40.8 IC41.18 J27.A4 J27.A9 J27.B4 J27.B9 LED8.A R107.2 R212.2 TP2.1 | length 258.9
  Top w0.3: LED8.A@48.15,107.325 48.15,102.275 50.425,100 52.1,100 v1(52.675,100.575) J27.A9@52.675,101.295 J27.B4@52.675,102.495 ; v1(55.175,100.575) J27.A4@55.175,101.295 J27.B9@55.175,102.495
  Top w0.6: R107.2@75.85,12.675 75.85,10.325 77.225,8.95 v1(77.225,8.825) v1(77.225,8.325)
  L4 w1.5: v1(52.675,100.575) v1(55.175,100.575) 59.675,100.575 67.875,92.375 67.875,80.475 64.75,77.35 64.75,74.75 ; 53.454,100.725 52.025,100.725 51.175,99.875 19.875,99.875 9.675,99.875 4.875,95.075 4.875,76.85 3.075,75.05 3.075,26.25 8.9,20.425 24.125,20.425 27.575,16.975 31.325,16.975 36.025,12.275 42.45,12.275 44.525,10.2 76.05,10.2 77.2,9.05 v1@77.2,8.875
  other v1: 64.5,74.45 64.5,74.975 65.025,74.975 60.075,99.825 62.95,99.825 59.825,100.975 62,100.975
VBUS_FET_EN: C202.1 D9.A IC40.2 IC40.4 R212.1 R213.2 R227.1 | length 41.8
  L3 w0.2: v1(72.15,94.275) 72.536,93.889 v1(72.536,73.15)
  Bottom w0.2: R227.1@72.116,73.57 v1(72.536,73.15)
  Bottom w0.4: IC40.4@58.245,93.425 58.259,93.439 58.259,93.934 59,94.675 60.45,94.675 60.747,94.378 ; IC40.2@60.747,93.393 60.747,94.378 ; R213.2@65.325,93.95 64.95,94.325 64.95,95.075 ; D9.A@67.15,97.025 67.15,96.025 66.575,95.45 R212.1@65.325,95.45 64.95,95.075 ; 60.747,94.378 61.443,95.075 C202.1@63.775,95.075 64.95,95.075
  Bottom w0.6: D9.A@67.15,97.025 69.4,97.025 v1(72.15,94.275)
VBUS_MAX: IC41.2 R214.2 R219.2 | length 3.3
  Bottom w0.25: IC41.2@69.116,74.075 69.9,74.075 70.495,74.67 R219.2@71.116,74.67 R214.2@72.216,74.67
VBUS_MIN: IC41.1 R215.2 R220.2 | length 4.1
  Bottom w0.25: IC41.1@69.116,74.575 69.646,74.575 70.016,74.945 R220.2@70.016,76.895 R215.2@71.116,76.895